# Altium PCB MB1019.PcbDoc (part 3 of 4) (continued)
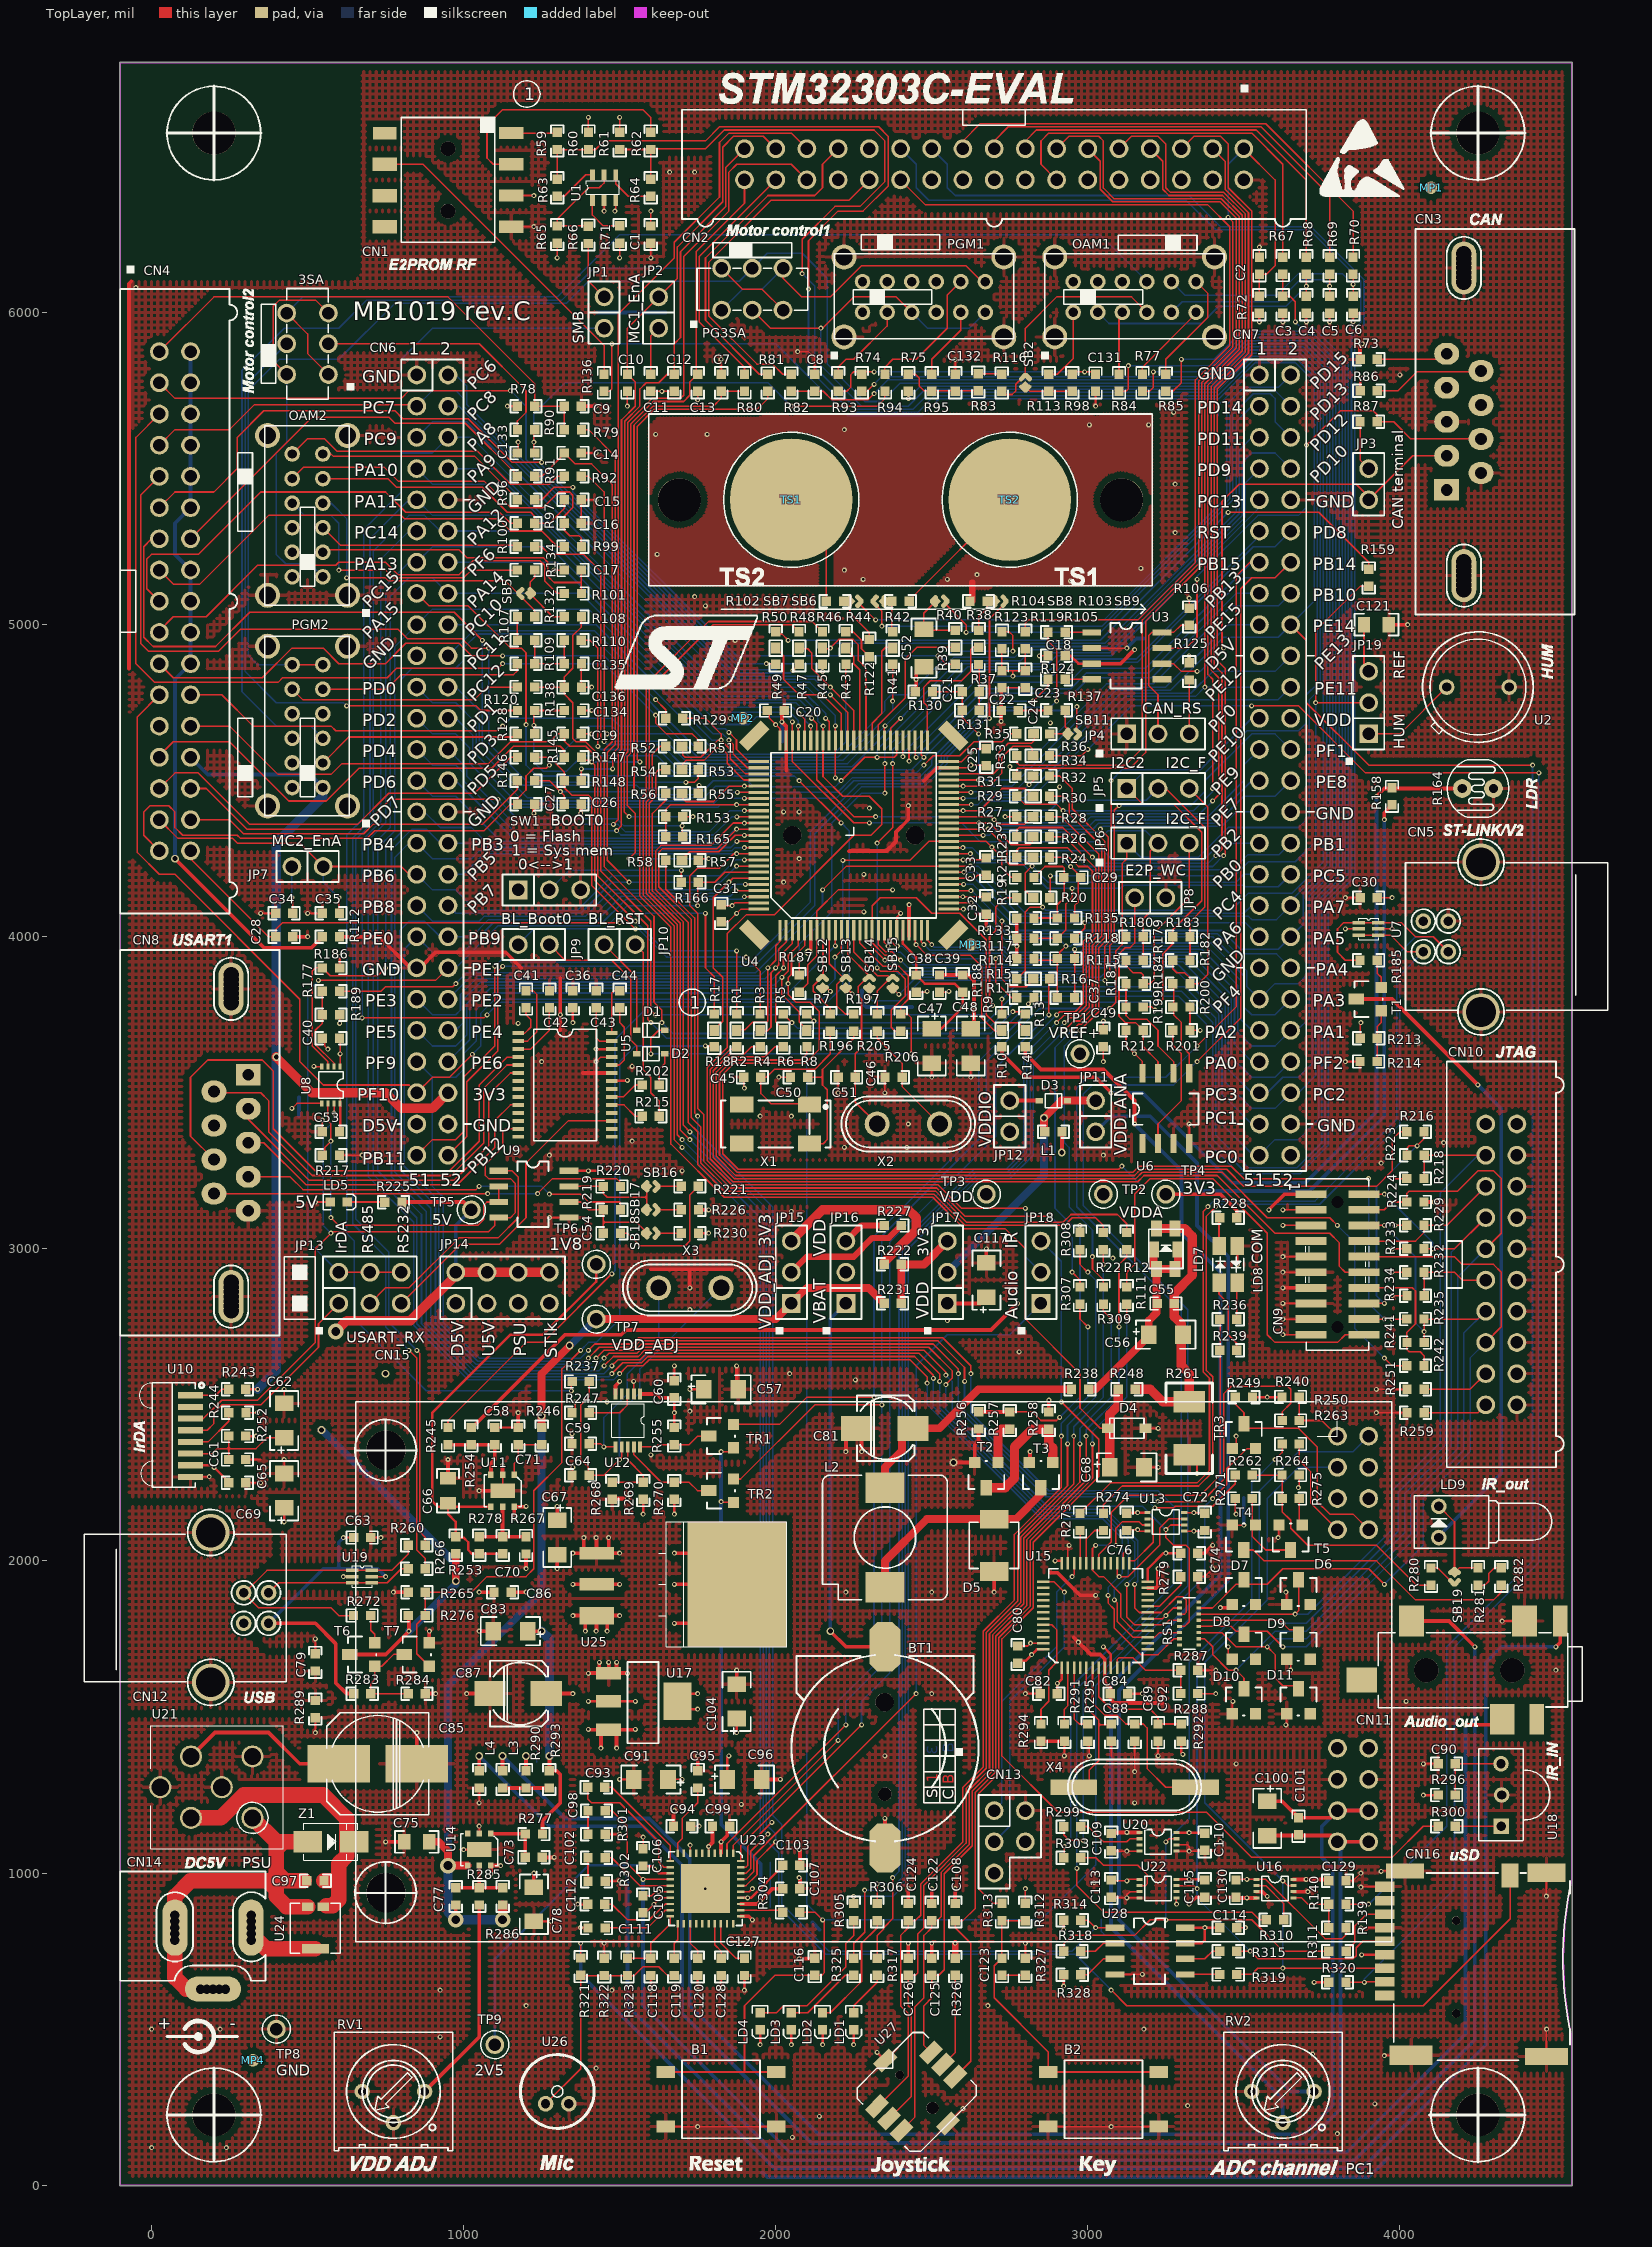
[diagram p0: TopLayer view]
## Nets (pads, with @x,y where several pads share a name; then routed paths per layer and width w, separated by ;. In a path a pad name is that pad's centre, name@x,y a point inside that pad or via, vN(x,y) a via of type N, cw(c..) or ccw(c..) an arc to the next point about the centre after c; other vN are vias at no path point) (continued)
  TopLayer w5: R300.2@4185,1150 U18.1@4325,1150
NetR301_2: C98.1 R301.2 | length 75
  TopLayer w5: R301.2@1398.5,1124 C98.1@1398.5,1199
NetR302_2: C102.1 R302.2 | length 75
  TopLayer w5: R302.2@1398.5,974 C102.1@1398.5,1049
NetR303_1: R303.1 U22.2 | length 291.2
  TopLayer w5: R303.1@2977.38,1049.16 3025.84,1049.16 3050,1025 3160,1025 3190,995 3190,965 3184.84,959.84 U22.2@3165.94,959.84
NetR304_1: R304.1 U23.32 | length 128.4
  TopLayer w5: U23.32@1887.99,881.1 R304.1@2016.4,881.1
NetR307_1: C124.2 R307.1 U27.1 | length 2889.3
  TopLayer w5: U27.1@2330,255 2425,350 2425,550 2400,575 2400,800 2425,825 C124.2@2425,847.5 2447.5,847.5 2465,865 2465,965 2600,1100 2600,1275 2665,1340 2665,1775 2765,1875 2765,2085 2915,2235 v1(2915,2400) ; R307.1@2975,2822.5 2975,2775 v1(3000,2750)
  BottomLayer w5: v1(2915,2400) 2915,2440 3000,2525 v1(3000,2750)
NetR308_1: C126.2 R308.1 U27.2 | length 3099.9
  TopLayer w5: U27.2@2363.7,213.7 2435,285 2435,565 2425,575 C126.2@2425,672.5 2447.5,672.5 2455,680 2455,805 2475,825 2475,960.86 2610,1095.86 2610,1270.86 2675,1335.86 2675,1770.71 2775,1870.71 2775,2080.86 2935,2240.86 v1(2935,2375) ; R308.1@2975,2997.5 2975,2950 v1(3000,2925)
  BottomLayer w5: v1(2935,2375) 2935,2435 3025,2525 3025,2900 v1(3000,2925)
NetR309_1: C125.2 R309.1 U27.6 | length 2678.5
  TopLayer w5: U27.6@2497.33,425.27 2475,447.6 2475,575 2500,600 C125.2@2500,672.5 2522.5,672.5 2540,690 2540,997.57 2630,1087.57 2630,1262.57 2695,1327.57 2695,1762.43 2795,1862.43 2795,2072.57 2975,2252.57 v1(2975,2375) ; R309.1@3050,2822.5 3050,2800 v1(3075,2775)
  BottomLayer w5: v1(2975,2375) 2975,2425 3075,2525 v1(3075,2775)
NetR310_1: R310.1 U16.2 | length 162.6
  TopLayer w5: U16.2@3540.94,959.84 3570.16,959.84 3627.38,902.62 R310.1@3627.38,850.16
NetR311_2: CN16.7 R311.2 | length 203.9
  TopLayer w5: R311.2@3827.62,749.84 3855,777.21 3855,830 3892.91,867.91 CN16.7@3951.65,867.91
NetR314_2: R58.1 R314.2 U28.1 | length 4722.4
  TopLayer w5: R58.1@1647.5,4250 1647.5,4152.5 1740,4060 1740,3435 v1(1750,3425) ; R314.2@2977.5,849 3001,849 v1(3025,825) U28.1@3087.5,825
  BottomLayer w5: v1(1750,3425) 1750,3375 1990,3135 1990,1185 2020,1155 2020,900 2170,750 2950,750 v1(3025,825)
NetR315_1: R315.1 U28.6 | length 120.4
  TopLayer w5: U28.6@3312.5,725 3375,725 3400,750 R315.1@3422.5,750
NetR318_1: R318.1 U28.2 | length 120.8
  TopLayer w5: R318.1@2977.5,749 3024,749 3050,775 U28.2@3087.5,775
NetR319_1: R319.1 U28.5 | length 110
  TopLayer w5: U28.5@3312.5,675 R319.1@3422.5,675
NetR320_1: CN16.2 R34.1 R320.1 | length 5953.9
  TopLayer w5: R34.1@2877.5,4580 2980,4580 v1(3000,4600) ; v1(3525,4740) 3675,4740 3890,4525 v2(4445,4525) ; R320.1@3827.54,650 v2(3886.38,650) 3887.76,651.38 CN16.2@3951.65,651.38
  BottomLayer w5: v1(3000,4600) 3140,4740 v1(3525,4740) ; v2(3886.38,650) 3886.38,661.38 4175,950 4175,1725 4445,1995 v2(4445,4525)
NetR326_2: R326.2 U27.5 | length 302.2
  TopLayer w5: U27.5@2536.3,386.3 2575,425 R326.2@2575,672.5
NetR328_2: R328.2 U28.3 | length 131.1
  TopLayer w5: R328.2@2977.5,674 2999,674 3050,725 U28.3@3087.5,725
NetRS1_4: CN9.10 CN10.15 D7.3 RS1.4 | length 2282.9
  TopLayer w5: RS1.4@3356,1849.21 3399.21,1849.21 3475,1925 3575,1925 3625,1975 3900,1975 v1(3950,1925) ; CN9.10@3885,2975 4175,2975 4200,2950 4300,2950 4325,2925 4325,2750 CN10.15@4275,2700
  BottomLayer w5: v1(3950,1925) 4075,2050 4075,2200 4225,2350 4225,2650 CN10.15@4275,2700
NetRS1_6: CN10.3 D6.3 R218.1 R223.2 RS1.6 | length 2468.7
  TopLayer w5: RS1.6@3356,1829.53 v1(3664.53,1829.53) 3675.5,1840.5 D6.3@3675.5,1940 3675,1939.5 D6.3@3675,1950 ; R218.1@4077.5,3225 4077.5,3300 CN10.3@4275,3300
  BottomLayer w5: v1(3664.53,1829.53) 3704.53,1829.53 3975,2100 3975,2225 4130,2380 4130,3180 4250,3300 CN10.3@4275,3300
NetRS1_8: CN9.8 CN10.5 D9.3 R229.1 RS1.8 | length 2525.2
  TopLayer w5: RS1.8@3356,1809.84 3615.16,1809.84 3645,1780 D9.3@3680,1780 ; CN9.8@3885,3025 4050,3025 4077.5,3052.5 4077.5,3075 4150,3075 CN10.5@4275,3200
  BottomLayer w5: v1(3625,1800) 3700,1800 3995,2095 3995,2220 4145,2370 4145,3070 CN10.5@4275,3200
NetRS1_10: CN9.6 CN10.13 D8.3 R235.1 R241.2 RS1.10 | length 2424.8
  TopLayer w5: RS1.10@3356,1790.16 3459.84,1790.16 3475,1775 3575,1775 v1(3625,1725) ; CN9.6@3885,3075 v1(3950,3075) ; R241.2@4077.5,2700 4077.5,2775 4250,2775 CN10.13@4275,2800
  BottomLayer w5: v1(3625,1725) 3700,1725 4055,2080 4055,2205 4205,2355 4205,2730 CN10.13@4275,2800 ; v1(3950,3075) 4050,2975 4050,2762.5 v1(4077.5,2735)
NetRS1_12: CN9.4 CN10.9 D11.3 R224.2 RS1.12 | length 2821.2
  TopLayer w5: RS1.12@3356,1770.47 3429.53,1770.47 3475,1725 v1(3575,1725) 3600,1700 3600,1625 3625,1600 3674.5,1600 D11.3@3675,1600.5 ; CN9.4@3885,3125 3950,3125 3975,3150 4022.5,3150 4022.5,3177.5 4030,3185 4185,3185 4250,3250 4300,3250 4325,3225 4325,3050 CN10.9@4275,3000
  BottomLayer w5: v1(3575,1725) 3600,1750 3700,1750 4035,2085 4035,2210 4185,2360 4185,2910 CN10.9@4275,3000
NetRS1_14: CN9.2 CN10.7 D10.3 R233.1 RS1.14 | length 2629
  TopLayer w5: RS1.14@3356,1750.79 3374.21,1750.79 3400,1725 3400,1700 3450,1650 v1(3475,1650) 3500.5,1624.5 D10.3@3500.5,1590 ; CN9.2@3885,3175 v1(3950,3175) ; R233.1@4077.5,3000 4175,3000 CN10.7@4275,3100
  BottomLayer w5: v1(3475,1650) 3600,1775 3700,1775 4015,2090 4015,2215 4165,2365 4165,2990 CN10.7@4275,3100 ; v1(3950,3175) 4105,3020 v1(4105,3000)
NetRV1_1: R285.2 RV1.1 | length 670
  TopLayer w12: RV1.1@875,300 1050,475 R285.2@1050,897.5
NetSB12_2: CN6.11 SB12.2 | length 3214.3
  TopLayer w5: v1(675,3740) 1065,3740 v1(1075,3750) ; SB12.2@2148,3837 2163,3837 v1(2175,3825)
  BottomLayer w5: v1(675,3740) 675,4310 735,4370 735,5210 825,5300 CN6.11@850,5300 ; v1(1075,3750) 1115.32,3790.32 2140.32,3790.32 v1(2175,3825)
NetSB13_2: CN6.15 SB13.2 | length 2466.1
  TopLayer w5: CN6.15@850,5100 890,5060 1015,5060 1150,4925 1185,4925 1200,4910 v1(1200,4680) ; v1(2075,4500) v1(2210,4365) ; SB13.2@2225,3837 v1(2245,3817)
  BottomLayer w5: v1(1200,4680) 1200,4550 1235,4515 2060,4515 v1(2075,4500) ; v1(2210,4365) 2235,4340 2235,3827 v1(2245,3817)
NetSB14_2: CN7.23 SB14.2 | length 2049.2
  TopLayer w5: v1(2300,3805) SB14.2@2300,3837 ; v1(3055,3860) 3055,3970.15 3075,3990.15 v1(3075,4500) ; CN7.23@3525,4700 CN7.23@3550,4700
  BottomLayer w5: v1(2300,3805) 2310,3795 2400,3795 2465,3860 v1(3055,3860) ; v1(3075,4500) 3110,4535 3360,4535 3525,4700 CN7.23@3550,4700
NetSB15_2: CN7.26 SB15.2 | length 1969.7
  TopLayer w5: SB15.2@2375,3835 v1(2395,3815) ; v1(3071,3880) 3071,3972 3085,3986 3085,4405 v1(3100,4420)
  BottomLayer w5: v1(2395,3815) 2450,3870 3040,3870 3050,3880 v1(3071,3880) ; v1(3100,4420) 3330,4420 3375,4465 3375,4500 3525,4650 3600,4650 CN7.26@3650,4600
NetT5_3: R271.1 T4.2 T5.3 | length 262.1
  TopLayer w5: R271.1@3527.5,2200 3527.5,2077.5 3570,2035 T5.3@3649.5,2035
NetT6_1: R272.1 T6.1 | length 92.7
  TopLayer w5: R272.1@702.5,1825 702.5,1777.5 715,1765 T6.1@715,1737.5
NetU1_1: R71.2 U1.1 | length 148.1
  TopLayer w5: U1.1@1412.6,6358.66 1412.6,6312.4 1447.5,6277.5 R71.2@1500,6277.5
NetU2_1: JP19.1 U2.1 | length 312.1
  TopLayer w5: JP19.1@3900,4650 4000,4650 U2.1@4150,4800
NetU3_6: CN3.2 JP3.2 U3.6 | length 1536
  TopLayer w5: U3.6@3237.5,4875 3275,4875 3300,4850 v1(3350,4850) ; v1(3435,4925) 3430,4930 3430,5395 3485,5450 3860.56,5450 JP3.2@3905.28,5405.28 ; JP3.2@3900,5400 4041,5541 CN3.2@4150,5541
  BottomLayer w5: v1(3350,4850) 3360,4850 v1(3435,4925)
NetU3_7: CN3.7 R87.1 U3.7 | length 1619.1
  TopLayer w5: U3.7@3237.5,4925 3315,4925 3350,4960 v1(3350,5145) ; v1(3700,5575) 3810,5685 3915,5685 3927.5,5672.5 3927.5,5650 3980,5650 4035,5595 CN3.7@4260,5595
  BottomLayer w5: v1(3350,5145) 3350,5155 3545,5350 3675,5350 3700,5375 v1(3700,5575)
NetU5_3: C42.1 U5.3 | length 196.9
  TopLayer w5: U5.3@1175.39,3640.16 1215.16,3640.16 1275,3700 C42.1@1275,3772.5
NetU5_4: CN8.8 U5.4 | length 1880.1
  TopLayer w5: CN8.8@200,3286 125,3361 125,3550 180,3605 355,3605 390,3570 390,3385 525,3250 955,3250 1050,3345 1050,3525 1139.57,3614.57 U5.4@1175.39,3614.57
NetU5_5: CN8.6 U5.5 | length 1394.5
  TopLayer w5: CN8.6@200,3504 204,3500 350,3500 375,3475 375,3375 515,3235 960,3235 1065,3340 1065,3515 1138.98,3588.98 U5.5@1175.39,3588.98
NetU5_6: CN8.2 U5.6 | length 1218.1
  TopLayer w5: CN8.2@310,3449 310,3415 505,3220 970,3220 1080,3330 1080,3493.39 1150,3563.39 U5.6@1175.39,3563.39
NetU5_10: CN8.3 U5.10 | length 1077.8
  TopLayer w5: CN8.3@310,3340 360,3340 495,3205 980,3205 1100,3325 1100,3411.02 1150,3461.02 U5.10@1175.39,3461.02
NetU5_27: C43.1 U5.27 | length 150.9
  TopLayer w5: C43.1@1425,3772.5 1425,3675 1434.25,3665.75 U5.27@1474.61,3665.75
NetU6_5: R184.1 R200.1 U6.5 | length 309.2
  TopLayer w5: R184.1@3272.5,3850 3275,3847.5 3275,3750 3300,3725 3300,3650 3325,3625 U6.5@3325,3562.5
NetU6_6: R181.1 R199.1 U6.6 | length 382.9
  TopLayer w5: R181.1@3122.5,3850 3122.5,3747.5 3135,3735 3190,3735 3225,3700 3225,3650 3275,3600 U6.6@3275,3562.5
NetU6_7: JP8.1 R212.2 U6.7 | length 662.8
  TopLayer w5: JP8.1@3150,4125 3150,3980 3135,3965 3120,3965 3100,3945 3100,3745 3120,3725 3152.5,3725 3177.5,3700 3177.5,3647.5 3225,3600 U6.7@3225,3562.5
NetU10_5: R244.1 U10.5 | length 177.4
  TopLayer w5: U10.5@125,2381.3 181.3,2381.3 247.5,2447.5 R244.1@247.5,2475
NetU12_8: R268.2 R269.2 U12.8 | length 233.5
  TopLayer w5: R268.2@1476,2252.5 1576,2252.5 1576,2274 1526,2324 U12.8@1526,2365.31
NetU12_9: R270.2 TR2.3 U12.9 | length 312.1
  TopLayer w5: U12.9@1545.69,2365.31 1545.69,2340 1633.19,2252.5 1722.5,2252.5 1749.5,2225.5 TR2.3@1785,2225.5
NetU12_10: R255.2 TR1.3 U12.10 | length 244
  TopLayer w5: U12.10@1565.37,2365.31 1615.31,2365.31 1622.5,2372.5 1722.5,2372.5 1750,2400 TR1.3@1795,2400
NetU15_20: R279.1 U15.20 | length 160.8
  TopLayer w5: U15.20@3192.32,1854.53 3229.53,1854.53 3297.5,1922.5 R279.1@3297.5,1950
NetU15_44: R294.2 U15.44 | length 371.9
  TopLayer w5: R294.2@2850,1477.5 2850,1525 2875,1550 2875,1650 2900,1675 2900,1780 2884.53,1795.47 U15.44@2857.68,1795.47
NetU18_3: C90.1 R296.1 U18.3 | length 246.5
  TopLayer w5: R296.1@4177.5,1250 C90.1@4177.5,1350 U18.3@4324,1350
NetU20_2: R299.2 U20.2 | length 212.8
  TopLayer w5: R299.2@2977.5,1149 3001,1149 3050,1100 3125,1100 3134.84,1109.84 U20.2@3165.94,1109.84
NetU23_14: C98.2 CN11.4 U23.14 | length 4872.1
  TopLayer w5: C98.2@1453.5,1199 1476,1199 1525,1150 1525,1029.53 1575,979.53 U23.14@1662.01,979.53
  TopLayer w12: v1(4210,1475) CN11.4@4330,1475
  BottomLayer w12: v1(1575,980) 1575,575 2045,105 3830,105 4210,485 4210,1465 v1(4210,1475)
NetU23_15: C102.2 CN11.6 U23.15 | length 5247.2
  TopLayer w5: C102.2@1453.5,1049 1475,1049 v1@1524.5,999.5 ; v1(1525,1000) 1525,999 1564.16,959.84 U23.15@1662.01,959.84
  TopLayer w12: CN11.6@4037.17,1807.48 4157.52,1807.48 v1(4240,1725)
  BottomLayer w12: v1(1525,1000) 1525,575 2020,80 3855,80 4240,465 v1(4240,1725)
NetU23_18: C112.2 U23.18 | length 251.3
  TopLayer w5: C112.2@1452.5,900 1475,900 1525,850 1595,850 1645.79,900.79 U23.18@1662.01,900.79
NetU23_19: C111.2 U23.19 | length 232.2
  TopLayer w5: C111.2@1453.5,824 1589,824 1646.1,881.1 U23.19@1662.01,881.1
NetU23_20: C118.1 R323.2 U23.20 | length 235.6
  TopLayer w5: R323.2@1525,726.5 C118.1@1600,726.5 1600,775 1662.01,837.01 U23.20@1662.01,861.42
NetU23_21: C119.1 U23.21 | length 115.2
  TopLayer w5: C119.1@1675,726.5 1675,775 1686.42,786.42 U23.21@1686.42,837.01
NetU23_23: C120.1 U23.23 | length 120.5
  TopLayer w5: U23.23@1725.79,837.01 1725.79,775.79 1750,751.57 C120.1@1750,726.5
NetU23_27: C128.2 U23.27 | length 119
  TopLayer w5: U23.27@1804.53,837.01 1804.53,770.47 1825,750 C128.2@1825,726.5
NetU23_28: C127.2 U23.28 | length 159.5
  TopLayer w5: U23.28@1824.21,837.01 1824.21,775.79 1873.5,726.5 C127.2@1900,726.5 C127.2@1898.5,725
NetU23_36: R54.1 U23.36 | length 3834.2
  TopLayer w5: R54.1@1647.5,4535 1625,4535 1615,4525 1615,4447.57 1595,4427.57 1595,4142.43 1694.31,4043.12 1694.31,3380.69 v1(1725,3350) ; U23.36@1887.99,959.84 1905,959.84 1940,994.84 1940,1040 v1(2000,1100)
  BottomLayer w5: v1(1725,3350) 1970,3105 1970,1155 2000,1125 v1(2000,1100)
NetU23_37: JP18.1 U23.37 | length 2371.1
  TopLayer w5: U23.37@1887.99,979.53 1905,979.53 1930,1004.53 1930,1055 v1(2450,1575)
  BottomLayer w5: v1(2450,1575) 2450,2625 2550,2725 2750,2725 JP18.1@2850,2825
NetU23_38: R52.1 U23.38 | length 3854.5
  TopLayer w5: R52.1@1647.5,4610 1630,4610 1605,4585 1605,4451.72 1585,4431.72 1585,4138.28 1684.31,4038.97 1684.31,3365.69 v1(1700,3350) ; U23.38@1887.99,999.21 1905,999.21 1920,1014.21 1920,1070 v1(1975,1125)
  BottomLayer w5: v1(1700,3350) 1960,3090 1960,1140 v1(1975,1125)
NetU23_39: R56.1 U23.39 | length 3668.2
  TopLayer w5: R56.1@1647.5,4460 1647.5,4437.5 1605,4395 1605,4146.57 1704.31,4047.26 1704.31,3395.69 v1(1725,3375) ; U23.39@1887.99,1018.9 1905,1018.9 1910,1023.9 1910,1085 1987.39,1162.39 v1(1987.39,1162.61)
  BottomLayer w5: v1(1725,3375) 1980,3120 1980,1170 v1(1987.39,1162.61)
NetU23_40: R16.2 U23.40 | length 3232.7
  TopLayer w5: U23.40@1887.99,1038.58 1887.99,1087.99 v1(2275,1475) ; v1(2875,3750) R16.2@2875,3862.5
  BottomLayer w5: v1(2275,1475) 2275,1550 2365,1640 2365,3020 2705,3360 2705,3580 v1(2875,3750)
NetU24_3: C97.1 U21.1 U24.3 Z1.2 | length 926
  TopLayer w50: U21.1@126.57,1176.57 221.57,1176.57 295,1250 550,1250 625,1175 625,1055 600,1030 600,915 580,895 U24.3@560,895 ; C97.1@552.5,975 600,975
OSC_IN: C88.2 U15.5 X4.2 | length 473.1
  TopLayer w5: U15.5@2995.47,1657.68 2995.47,1529.53 3035,1490 3035,1360 3005,1330 X4.2@3005,1265 ; 3035,1470 3040,1475 3035,1480 ; 3035,1475 C88.2@3072.5,1475
OSC_OUT: C89.2 U15.6 X4.1 | length 630.6
  TopLayer w5: U15.6@3015.16,1657.68 3015.16,1544.84 3055,1505 3095,1505 3122.5,1477.5 3177.5,1477.5 3190,1465 3190,1335 3250,1275 X4.1@3345,1275
PA0: CN7.45 R9.1 R10.1 U4.23 | length 1908.2
  TopLayer w5: U4.23@2446.85,4020.87 2446.85,3978.15 2485,3940 2625,3940 2660,3905 2660,3740 2702.5,3697.5 R10.1@2725,3697.5
  BottomLayer w5: v1(2450,3975) 2478.27,3946.73 2724.98,3946.73 2741.72,3930 2969.14,3930 2989.14,3950 3350,3950 3470,3830 3470,3655 3525,3600 CN7.45@3550,3600
PA1: CN7.44 R74.1 U4.24 | length 5297.6
  TopLayer w5: R74.1@2275,5747.5 2292.5,5747.5 v1(2315,5770) ; U4.24@2466.53,4020.87 2466.53,3983.47 v1(2475,3975)
  BottomLayer w5: v1(2315,5770) 2339,5794 3391.43,5794 3507.43,5910 3700,5910 3795,5815 3795,4216.72 3710,4131.72 3710,3740 3670,3700 CN7.44@3650,3700 3600,3650 3525,3650 3480,3695 3480,3845 3365,3960 2985,3960 2965,3940 2745.86,3940 2729.13,3956.73 2493.27,3956.73 v1(2475,3975)
PA2: C37.1 CN7.43 R115.1 U4.25 | length 1459.5
  TopLayer w5: U4.25@2486.22,4020.87 2486.22,3988.78 v1(2500,3975) ; C37.1@2957.5,3805 v1(2957.5,3959.23)
  BottomLayer w5: v1(2500,3975) 2508.27,3966.73 2733.27,3966.73 2750,3950 2948.27,3950 2968.27,3970 3380,3970 3490,3860 3490,3735 3525,3700 CN7.43@3550,3700
PA3: C37.2 CN7.42 R114.2 R115.2 U4.26 | length 1567.1
  TopLayer w5: U4.26@2554.13,4088.78 v1(2601.22,4088.78) ; R114.2@2827.5,3925 2902.5,3925 C37.2@2902.5,3805 ; R115.2@2910,3930 2910,3950 v1(2930,3970)
  BottomLayer w5: v1(2601.22,4088.78) 2636.22,4088.78 2735,3990 2910,3990 v1(2930,3970) 2945,3970 2955,3980 3395,3980 3500,3875 3500,3775 3525,3750 3600,3750 CN7.42@3650,3800
PA4: CN7.40 R15.1 R16.1 U4.29 | length 1506.7
  TopLayer w5: U4.29@2554.13,4147.83 v1(2625.32,4147.83) ; v1(2725,4050) 2725,3865 2750,3840 2802.5,3840 R16.1@2827.5,3865
  BottomLayer w5: v1(2625.32,4147.83) 2627.17,4147.83 2765,4010 3415,4010 3480,3945 3605,3945 CN7.40@3650,3900
PA5: CN7.38 PG3SA.5 PGM2.6 PGM2.9 U4.30 | length 8267.7
  TopLayer w5: PGM2.9@450.79,4871.85 PGM2.6@549.21,4871.85 ; U4.30@2554.13,4167.52 v1(2602.48,4167.52)
  BottomLayer w5: PGM2.9@450.79,4871.85 340,4871.85 310,4901.85 310,5750 410,5850 600,5850 780,6030 1330,6030 1400,6100 1883.07,6100 1973.07,6190 2085,6190 2165,6110 2165,5835 2285,5715 2340,5715 2399,5774 3399.71,5774 3515.71,5890 3690,5890 3775,5805 3775,4225 3690,4140 3690,4040 3610,3960 3490,3960 3430,4020 2780,4020 2632.48,4167.52 v1(2602.48,4167.52)
PA6: C33.1 CN7.37 R118.1 U4.31 | length 1193.3
  TopLayer w5: U4.31@2554.13,4187.2 2637.2,4187.2 2647.5,4197.5 C33.1@2675,4197.5 ; R118.1@2957.5,3995 2990,4027.5 v1(2990,4045)
  BottomLayer w5: v1(2622.8,4187.2) 2637.8,4187.2 2780,4045 3505,4045 CN7.37@3550,4000
PA7: CN7.36 R75.1 U4.32 | length 4384.9
  TopLayer w5: v1(2425,5725) R75.1@2425,5747.5 ; U4.32@2554.13,4206.89 v1(2603.11,4206.89)
  BottomLayer w5: v1(2425,5725) 2464,5764 3403.85,5764 3519.85,5880 3685,5880 3765,5800 3765,4229.14 3650,4114.14 CN7.36@3650,4100 3605,4055 3525,4055 3515,4065 2785,4065 2643.11,4206.89 v1(2603.11,4206.89)
PA8: CN6.6 JP1.1 R237.1 U4.67 | length 6497.9
  TopLayer w5: v1(1345,2545) R237.1@1345,2565.55 ; v1(2160,4700) 2171.26,4688.74 U4.67@2171.26,4629.13
  BottomLayer w5: 800,5550 900,5550 CN6.6@950,5600 1025,5600 1840,4785 2090,4785 2160,4715 v1(2160,4700) ; v1(1345,2545) 880,2545 650,2775 650,3025 625,3050 625,4325 680,4380 680,5305 800,5425 800,5850 900,5950 JP1.1@1450,5950
PA9: CN6.8 JP18.2 U4.68 | length 4705.1
  TopLayer w5: v1(2151.57,4675) 2151.57,4513.43 2215,4450 2300,4450 2340,4410 2340,4360 2305,4325 2250,4325 1995,4070 1905,4070 1845,4010 1845,3645 1780,3580 1780,3284.14 1859.14,3205 2520,3205 2595,3130 v1(2800,3130)
  BottomLayer w5: CN6.8@950,5500 1103.28,5500 1833.28,4770 2085,4770 2135,4720 2135,4691.57 v1(2151.57,4675) ; v1(2800,3130) 2800,2975 JP18.2@2850,2925
PA10: CN6.7 JP5.2 R182.2 R183.2 U4.69 | length 3638.2
  TopLayer w5: v1(2115,4700) 2131.89,4683.11 2131.89,4503.11 2250,4385 v1(2320,4385) ; JP5.2@3225,4475 3250,4475 3375,4350 3375,4095 3327.5,4047.5 R182.2@3327.5,3925
  BottomLayer w5: CN6.7@850,5500 900,5450 1139.14,5450 1829.14,4760 2075.86,4760 2115,4720.86 v1(2115,4700) ; v1(2320,4385) 2660,4385 2680,4405 2880,4405 2912.5,4437.5 3187.5,4437.5 JP5.2@3225,4475
PA11: CN6.9 R266.1 U4.70 | length 5245.5
  TopLayer w5: v1(825,2675) 850,2650 850,2035 877.5,2007.5 R266.1@877.5,1975 ; U4.70@2112.2,4629.13 v1(2112.2,4675)
  BottomLayer w5: v1(825,2675) 750,2750 750,2975 645,3080 645,4316.72 700,4371.72 700,5275 825,5400 CN6.9@850,5400 900,5350 1225,5350 1825,4750 2065,4750 2095,4720 2095,4692.2 v1(2112.2,4675)
PA12: CN6.12 R260.1 U4.71 | length 5068.8
  TopLayer w5: v1(850,2675) 860,2665 860,2092.5 877.5,2075 R260.1@877.5,2050 ; v1(2075,4715) 2092.52,4697.48 U4.71@2092.52,4629.13
  BottomLayer w5: v1(850,2675) 760,2765 760,2990 655,3095 655,4312.57 710,4367.57 710,5235 825,5350 875,5350 925,5300 1250,5300 1815,4735 2055,4735 v1(2075,4715)
PA13: CN6.13 RS1.13 U4.72 U13.7 U15.27 | length 7722.7
  TopLayer w5: v1(1500,2600) 1525,2625 1575,2625 1595,2645 2430,2645 2485,2590 v1(2485,2570) ; U4.72@2072.83,4629.13 v1(2072.83,4674.68) ; v1(3065,1890) 3065,1865 3085,1845 3085,1785 3170,1700 3225,1700 3275.79,1750.79 RS1.13@3294,1750.79 ; U15.27@3093.9,1992.32 3093.9,1956.1 v1(3100,1950) 3130,1950 3230,2050 3230,2105 3259.84,2134.84 U13.7@3309.06,2134.84
  BottomLayer w5: v1(1500,2600) 1480,2580 1015,2580 840,2755 840,3085 695,3230 695,4310 750,4365 750,5125 825,5200 CN6.13@850,5200 900,5250 1275,5250 1805,4720 2045,4720 2072.83,4692.17 v1(2072.83,4674.68) ; v1(2485,2570) 2485,2500.86 2850.86,2135 3047.57,2135 3110,2072.57 3110,1960 3065,1915 v1(3065,1890)
PA14: CN6.16 RS1.11 U4.76 U15.15 U15.26 | length 7117.6
  TopLayer w5: v1(1475,2600) 1510,2635 1570,2635 1590,2655 2445,2655 2505,2595 v1(2505,2585) ; v1(1850,4655) 1874.38,4630.62 1874.38,4600.62 1913.78,4561.22 U4.76@1945.87,4561.22 ; v1(3085,1875) 3095,1865 3095,1805 3143.9,1756.1 3215,1756.1 3229.37,1770.47 RS1.11@3294,1770.47 ; U15.26@3113.58,1992.32 3113.58,2023.58 3120,2030 v1(3130,2030)
  BottomLayer w5: v1(1475,2600) 1465,2590 1020,2590 850,2760 850,3100 710,3240 710,4295 765,4350 765,5090 825,5150 900,5150 CN6.16@950,5100 1375,5100 1808.25,4666.75 1838.25,4666.75 v1(1850,4655) ; v1(2505,2585) 2505,2495 2855,2145 3051.72,2145 3130,2066.72 3130,1955 3085,1910 v1(3085,1875)
PA15: CN6.17 RS1.7 U4.77 U15.17 | length 6823
  TopLayer w5: v1(1475,2625) 1495,2645 1565,2645 1585,2665 2460,2665 2525,2600 v1(2525,2575) ; v1(1850,4630) 1864.38,4615.62 1864.38,4585.62 1908.47,4541.53 U4.77@1945.87,4541.53 ; v1(3125,1925) 3125,1820.47 3150,1795.47 3245.47,1795.47 3259.84,1809.84 RS1.7@3294,1809.84
  BottomLayer w5: v1(1475,2625) 1450,2600 1025,2600 865,2760 865,3110 725,3250 725,4285 780,4340 780,4930 900,5050 1400,5050 1800,4650 1830,4650 v1(1850,4630) ; v1(2525,2575) 2525,2490.86 2860.86,2155 3055.86,2155 3150,2060.86 3150,1950 v1(3125,1925)
PB0: CN7.33 R19.1 R20.1 U4.35 | length 1164.2
  TopLayer w5: U4.35@2554.13,4265.94 v1(2624.06,4265.94) ; v1(2821.44,4226.44) 2800,4205 2800,4147.5 R20.1@2822.5,4125
  BottomLayer w5: v1(2624.06,4265.94) 2643.42,4246.58 2803.42,4246.58 v1@2822.5,4227.5 ; v1(2821.44,4226.44) 2872.88,4175 3475,4175 3500,4200 CN7.33@3550,4200
PB1: C29.1 CN7.32 R135.1 U4.36 | length 1340.9
  TopLayer w5: U4.36@2554.13,4285.63 v1(2599.37,4285.63) ; v1(2945,4225) 2970,4200 2970,4112.5 2957.5,4100 R135.1@2957.5,4060
  BottomLayer w5: v1(2599.37,4285.63) 2629.37,4285.63 2658.42,4256.58 2913.42,4256.58 2955,4215 3465,4215 3512.12,4262.12 3612.12,4262.12 CN7.32@3650,4300
PB2: CN7.31 R21.1 R245.1 U4.37 | length 4257.7
  TopLayer w5: R245.1@950,2420 950,2450 1200,2700 1255,2700 v1(1475,2920) ; v1(2215,4245) 2430,4245 2490.32,4305.32 2674.68,4305.32 2725,4255 2725,4220 2755,4190 R21.1@2772.5,4190
  BottomLayer w5: v1(1475,2920) 1485,2930 1485,3670 1590,3775 2150,3775 2215,3840 v1(2215,4245) ; v1(2692.6,4287.4) 2705,4275 3050,4275 3080,4245 3370,4245 3425,4300 CN7.31@3550,4300
PB3: CN6.32 RS1.9 U4.89 U13.6 | length 5987.4
  TopLayer w5: v1(1450,2625) 1480,2655 1560,2655 1580,2675 2475,2675 2545,2605 v1(2545,2595) ; v1(1875.31,4305.32) U4.89@1945.87,4305.32 ; RS1.9@3294,1790.16 3310.16,1790.16 3325,1805 3325,2040 3315,2050 3275,2050 3250,2075 v1(3250,2100) 3265.16,2115.16 U13.6@3309.06,2115.16
  BottomLayer w5: CN6.32@925,4300 880,4345 835,4345 769,4279 769,3231 879.85,3120.15 879.85,2760.15 1030,2610 1435,2610 v1(1450,2625) ; CN6.32@950,4300 1050,4300 1064.06,4285.94 1855.94,4285.94 v1(1875.31,4305.32) ; v1(2545,2595) 2565,2575 2565,2480 2870,2175 3175,2175 v1(3250,2100)
PB4: CN6.31 RS1.5 U4.90 U15.19 | length 5949.4
  TopLayer w5: v1(1450,2650) 1465,2665 1555,2665 1575,2685 2490,2685 2565,2610 2565,2585 v1(2545,2565) ; v1(1900,4285.63) U4.90@1945.87,4285.63 ; v1(3150,1925) 3150,1850 3165.16,1834.84 3234.84,1834.84 3285,1885 3305,1885 3315,1875 3315,1835 3309.53,1829.53 RS1.5@3294,1829.53
  BottomLayer w5: v1(1450,2650) 1420,2620 1035,2620 895,2760 895,3130 780,3245 780,4255 825,4300 CN6.31@850,4300 900,4250 1025,4250 1050.94,4275.94 1860.09,4275.94 1869.77,4285.63 v1(1900,4285.63) ; v1(2545,2565) 2545,2485 2865,2165 3060,2165 3160,2065 3160,1935 v1(3150,1925)
PB5: CN6.34 R307.2 U4.91 | length 3586.1
  TopLayer w5: U4.91@1945.87,4265.94 1865.94,4265.94 1820,4220 1750,4220 1724.31,4194.31 1724.31,4100 1750,4074.31 1750,3450 1770,3430 1770,3280 1855,3195 2515.86,3195 2605.86,3105 v1(2880,3105) ; v1(2950,2925) 2975,2900 R307.2@2975,2877.5
  BottomLayer w5: CN6.34@950,4200 1000,4200 1065.94,4265.94 v1(1875,4265.94) ; v1(2880,3105) 2950,3035 v1(2950,2925)
PB6: C35.2 CN4.31 CN6.33 JP7.1 U4.92 | length 2276
  TopLayer w5: CN4.31@25,4375 85,4315 260,4315 275,4300 475,4300 JP7.1@550,4225 800,4225 825,4200 CN6.33@850,4200 ; C35.2@600,4077.5 v1(600,4125) ; v1(1900,4246.26) U4.92@1945.87,4246.26
  BottomLayer w5: JP7.1@550,4225 550,4175 v1(600,4125) ; CN6.33@850,4200 900,4150 975,4150 1040,4085 1365,4085 1475,4195 1820,4195 1871.26,4246.26 v1(1900,4246.26)
PB7: CN6.36 R79.2 U4.93 | length 2621.9
  TopLayer w5: R79.2@1377.5,5625 1400,5625 1486,5539 1486,4616 1460,4590 1460,4245 v1(1530,4175) ; v1(1875,4226.58) U4.93@1945.87,4226.58
  BottomLayer w5: CN6.36@945,4100 CN6.36@950,4100 975,4075 1375,4075 1475,4175 1823.43,4175 v1(1875,4226.58)
PB8: CN6.35 R17.1 R18.1 U4.95 | length 1690.3
  TopLayer w5: R18.1@1803,3702.5 1830,3729.5 1830,3870 1800,3900 1800,4125 1862.2,4187.2 U4.95@1945.87,4187.2
  BottomLayer w5: CN6.35@850,4100 900,4050 1050,4050 1065,4065 1390,4065 1475,4150 1825,4150 v1(1850.03,4175.03)
PB9: CN6.38 R262.2 U4.96 | length 5532.5
  TopLayer w5: v1(1425,2650) 1450,2675 1550,2675 1570,2695 2505,2695 2585,2615 v1(2585,2600) ; v1(1902.52,4167.52) U4.96@1945.87,4167.52 ; v1(3215,2170) 3275,2170 3280,2175 3400,2175 3472.5,2247.5 R262.2@3472.5,2275
  BottomLayer w5: CN6.38@925,4000 875,4050 825,4050 795,4020 795,3255 910,3140 910,2760 1040,2630 1405,2630 v1(1425,2650) ; CN6.38@950,4000 1025,4000 1080,4055 1405,4055 1490,4140 1840,4140 1867.52,4167.52 v1(1902.52,4167.52) ; v1(2585,2600) 2585,2485 2865,2205 3180,2205 v1(3215,2170)
PB10: C21.2 CN7.16 R130.2 R131.2 U4.47 | length 1743.1
  TopLayer w5: R130.2@2502.5,4785 C21.2@2597.5,4785 2597.5,4702.5 v1(2650,4650) ; U4.47@2554.13,4502.17 v1(2650,4502.17)
  BottomLayer w5: v1(2650,4650) v1(2650,4502.17) 2752.17,4502.17 3060,4810 3210,4810 3460,5060 3610,5060 CN7.16@3650,5100
PB11: R35.1 R36.1 U4.48 | length 369.1
  TopLayer w5: U4.48@2554.13,4521.85 2696.85,4521.85 2715,4540 2715,4590 2745,4620 2820,4620 2828,4628 R36.1@2828,4650
PB12: R37.1 R38.1 U4.51 | length 444.3
  TopLayer w5: U4.51@2486.22,4629.13 2486.22,4738.78 2475,4750 2475,4800 2495,4820 2595,4820 2625,4850 2625,4920 2632.5,4927.5 R38.1@2650,4927.5
PB13: CN7.15 R110.1 U4.52 | length 2820.6
  TopLayer w5: R110.1@1377.5,4950 1405,4950 1430,4925 v1(1430,4610) ; U4.52@2466.53,4629.13 2466.53,4583.47 v1(2475,4575)
  BottomLayer w5: v1(1430,4610) 1440,4600 1625,4600 1690,4535 2435,4535 2680,4780 2955,4780 3005,4830 3205,4830 3475,5100 CN7.15@3550,5100
PB14: CN7.14 R299.1 U4.53 | length 6454.6
  TopLayer w5: U4.53@2446.85,4629.13 2446.85,4578.15 v1(2450,4575) ; R299.1@2922.62,1148.84 2922.62,1122.38 2940,1105 v2(2985,1105) ; v1(3350.19,3600.19) 3490,3740 3490,5115 3525,5150 3600,5150 CN7.14@3650,5200
  BottomLayer w5: v1(2450,4575) 2670,4795 2945,4795 2995,4845 3195,4845 3500,5150 3600,5150 CN7.14@3650,5200 ; v2(2985,1105) 2985,1585 3320,1920 3320,2805 2985,3140 2985,3495 3015,3525 3275,3525 v1(3350.19,3600.19)
PB15: CN7.13 R310.2 U4.54 | length 7038.2
  TopLayer w5: v1(2427.16,4562.84) U4.54@2427.16,4629.13 ; v2(2965,1015) 2965,960 3050,875 3525,875 3549.84,850.16 R310.2@3572.38,850.16 ; v1(3350,3650) 3475,3775 3475,5155 3520,5200 CN7.13@3550,5200
  BottomLayer w5: v1(2427.16,4562.84) 2427.16,4577.16 2665,4815 2940,4815 2985,4860 3185,4860 3525,5200 CN7.13@3550,5200 ; v2(2965,1015) 2965,1590 3300,1925 3300,2800 2965,3135 2965,3515 3000,3550 3250,3550 v1(3350,3650)
PC0: CN7.51 R85.2 U4.15 | length 5230.6
  TopLayer w5: U4.15@2289.37,4020.87 2289.37,3985.63 v1(2350,3925) ; R85.2@3250,5747.5 3272.5,5747.5 3300,5775 v1(3300,5850)
  BottomLayer w5: v1(2350,3925) 2395,3880 2989.85,3880 3009.85,3900 3275,3900 3420,3755 3420,3410 3530,3300 CN7.51@3550,3300 3600,3350 3675,3350 3740,3415 3740,4119.29 3825,4204.29 3825,5830 3715,5940 3495,5940 3405,5850 v1(3300,5850)
PC1: CN7.49 R13.2 R14.2 U4.16 | length 2594.6
  TopLayer w5: v1(2375,3925) 2358.78,3941.22 2348.78,3941.22 2309.05,3980.95 2309.05,4099.05 2335,4125 2450,4125 2500,4075 2590,4075 2675,3990 2675,3750 2700,3725 2777.5,3725 R14.2@2800,3702.5
  BottomLayer w5: v1(2375,3925) 2410,3890 2985.71,3890 3005.71,3910 3290,3910 3430,3770 3430,3495 3525,3400 CN7.49@3550,3400
PC2: CN7.48 R84.1 U4.17 | length 5068.2
  TopLayer w5: U4.17@2328.74,4035 2328.74,3975.4 2352.93,3951.22 2373.78,3951.22 v1(2400,3925) ; R84.1@3100,5747.5 3122.5,5747.5 3130,5755 v1(3130,5830)
  BottomLayer w5: v1(2400,3925) 2425,3900 2981.57,3900 3001.57,3920 3305,3920 3440,3785 3440,3535 3525,3450 3600,3450 CN7.48@3650,3500 3675,3500 3730,3555 3730,4123.43 3815,4208.43 3815,5825 3710,5930 3499.14,5930 3399.14,5830 v1(3130,5830)
PC3: CN7.47 R77.1 U4.18 | length 4830.4
  TopLayer w5: U4.18@2348.42,4020.87 2348.42,3981.58 v1(2360,3970) ; R77.1@3175,5747.5 3197.5,5747.5 3210,5760 v1(3210,5810)
  BottomLayer w5: v1(2360,3970) 2380,3950 2400,3950 2440,3910 2977.43,3910 2997.43,3930 3320,3930 3450,3800 3450,3575 3525,3500 3575,3500 3625,3550 3675,3550 3720,3595 3720,4127.57 3805,4212.57 3805,5820 3705,5920 3503.28,5920 3393.28,5810 v1(3210,5810)